# Altium PCB AMC_Box_Mainboard.PcbDoc (part 6 of 8)
Units mil, origin at the board's own origin, x right, y up, seen from the top; angles counter-clockwise.
Board outline 2795.28 x 7874.02 mil, 4 copper layers (TOP, GND, PWR, BTM), stack 63.701 mil thick; 505 components, 378 nets, 1991 pads, 997 vias.
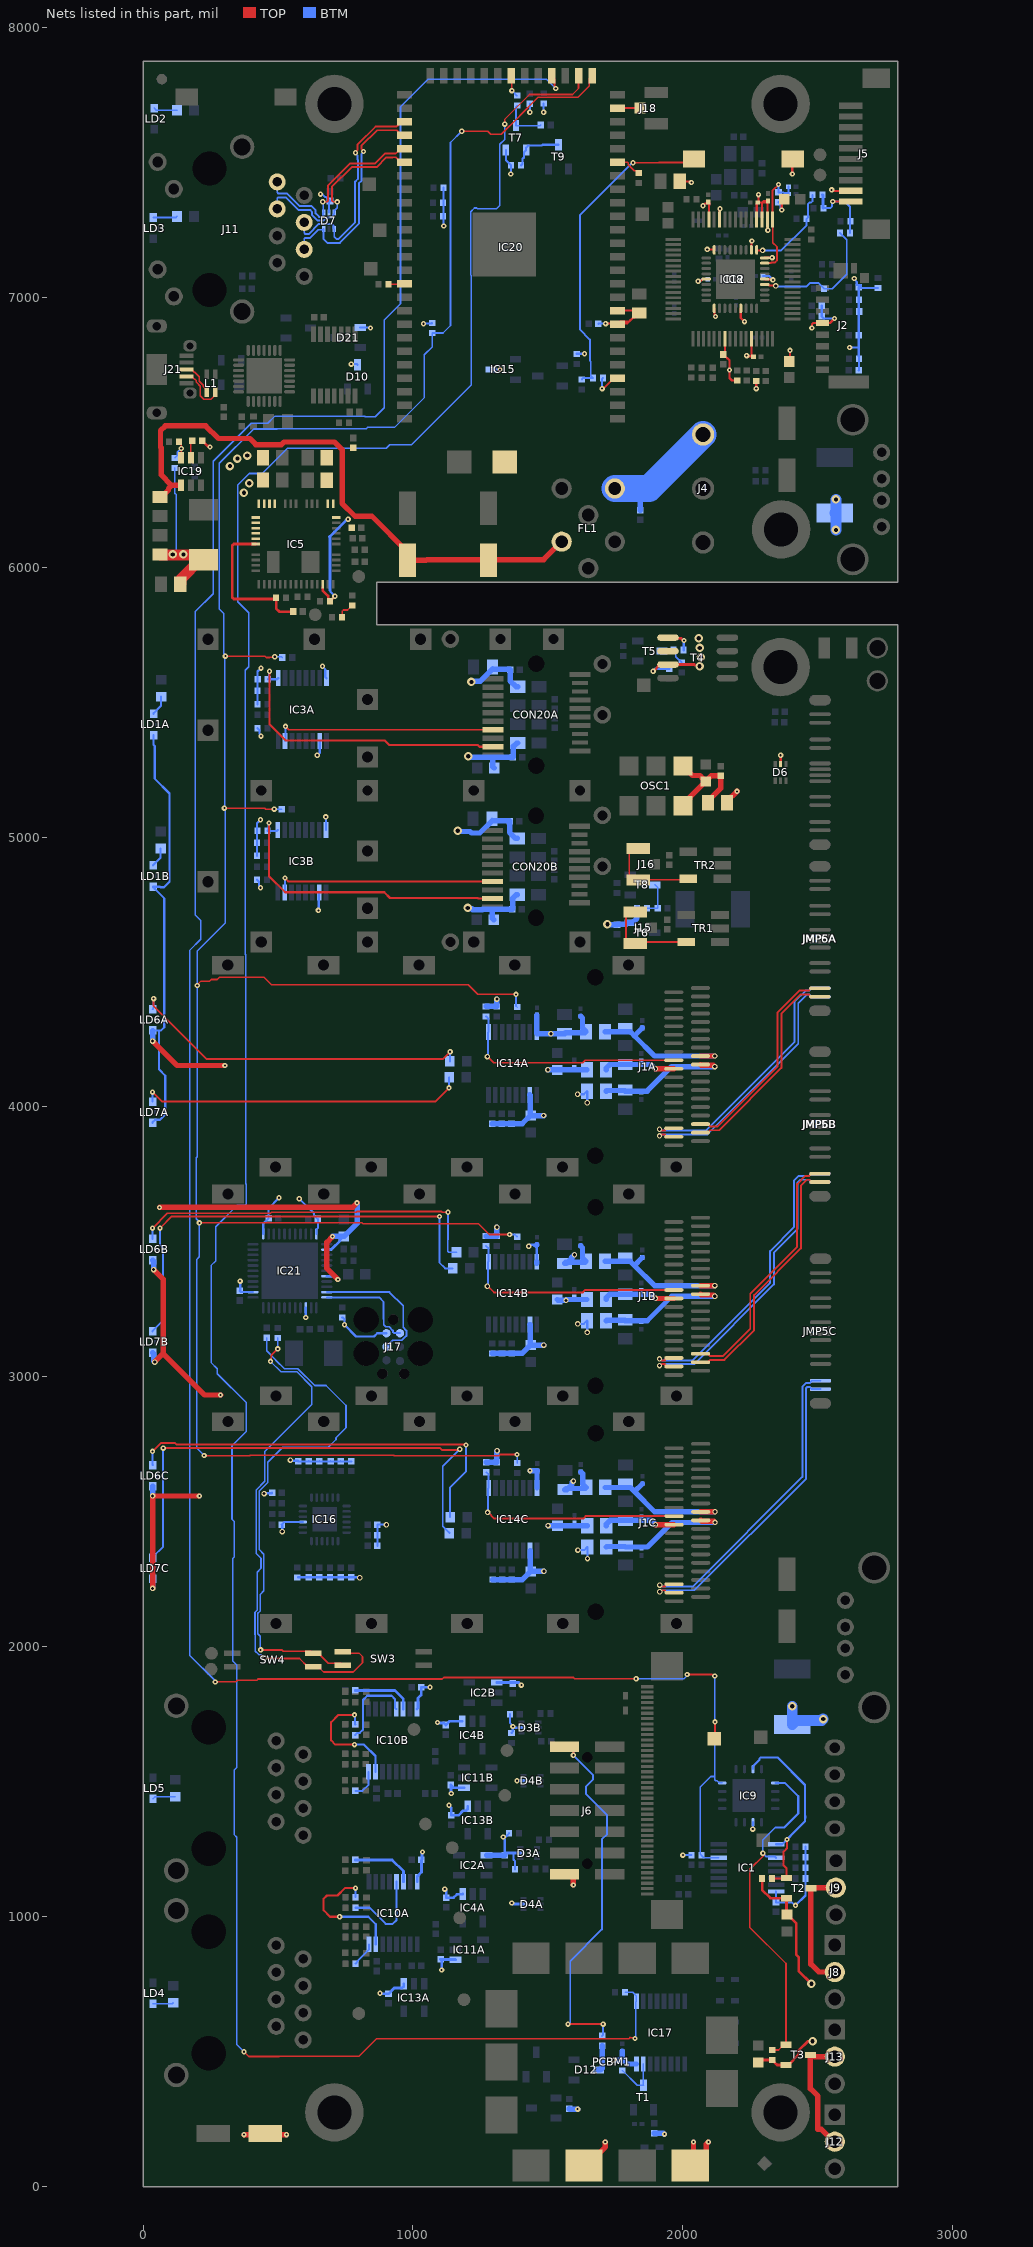
[diagram p8: the nets of this part, all layers, seen from the top]

## Via types
v1: diameter 19.68, hole 7.87, TOP to BTM, tented both sides, 751 vias
v2: diameter 20.08, hole 11.81, TOP to BTM, tented both sides, 162 vias
v3: diameter 19.68, hole 7.87, TOP to BTM, 43 vias
v4: diameter 31.5, hole 15.75, TOP to BTM, tented both sides, 36 vias
v5: diameter 25.98, hole 12.99, TOP to BTM, tented both sides, 4 vias
v6: diameter 50, hole 28, TOP to BTM, tented both sides, 1 vias

## Nets (pads, with @x,y where several pads share a name; then routed paths per layer and width w, separated by ;. In a path a pad name is that pad's centre, name@x,y a point inside that pad or via, vN(x,y) a via of type N, cw(c..) or ccw(c..) an arc to the next point about the centre after c; other vN are vias at no path point) (continued)
NetIC17_1: IC17.1 IC20.1 R69.2 | length 10173.4
  TOP w6: v1(374.02,500) 391.58,482.43 504.86,482.43 505.66,483.23 799.91,483.23 865.01,548.33 1799.72,548.33 1803.99,552.61 1804.62,551.98 1820.22,551.98 v1(1822.83,549.36) ; v1(1340,7641) 1340.84,7641.84 1340.84,7659.84 1432,7751 1591,7751 1613.5,7773.5 IC20.1@1613.5,7820.39
  BTM w6: v1(374.02,500) 347.18,526.83 347.18,1294.8 337.43,1304.55 337.43,1543.28 347.18,1553.02 347.18,1933.11 333.1,1947.19 333.1,2327.28 337.5,2331.67 337.5,2465.07 329.91,2472.66 329.91,2744.97 382.57,2797.63 382.57,2881.21 382.36,2881.42 382.36,2905.18 275.32,3012.21 275.32,3030.35 252.28,3053.39 252.28,3412.61 269.13,3429.46 269.13,3556.12 348.43,3635.43 377.33,3635.43 381.86,3639.95 381.86,3715.25 380.97,3716.13 380.97,4563.91 378.96,4565.92 378.96,5618.21 391.81,5631.06 391.81,5830.99 350.51,5872.29 350.51,6304.17 393.35,6347.02 441.5,6347.02 535.43,6440.94 901.57,6440.94 913.84,6453.21 994.89,6453.21 1216.5,6674.82 1216.5,7069 1215.5,7070 1215.5,7081.41 1214.64,7082.27 1214.64,7316.64 1228.27,7330.27 1236.05,7330.27 1239.31,7327 1309,7327 1322,7340 1322,7566.19 1340,7584.19 v1(1340,7641) ; R69.2@1786.22,720.47 1813.98,720.47 1827.76,706.69 IC17.1@1827.76,687.01 1825.26,684.51 1825.26,551.79 v1(1822.83,549.36)
NetIC17_15: IC17.15 R68.1 T1.3 | length 180.4
  BTM w6: R68.1@1775.59,430.32 1776.38,430.32 1830.71,375.98 T1.3@1854.33,375.98 1853.35,376.97 IC17.15@1853.35,454.72
NetIC19_5: IC19.5 R92.1 | length 65.1
  TOP w6: IC19.5@177.56,6405.51 177.56,6463.39 R92.1@182.68,6468.5
NetIC19_6: IC19.6 R94.1 R95.2 | length 113.9
  TOP w6: R95.2@133.07,6464.57 141.49,6456.15 v1(141.49,6439.67) 141.49,6423.18 147.35,6417.32 147.98,6417.32 140.16,6409.5 IC19.6@140.16,6405.51
  BTM w6: R94.1@118.03,6404.8 118.82,6404.8 127.24,6413.22 127.24,6425.41 v1(141.49,6439.67)
NetIC20_0: IC20.0 R8A.1 R8B.1 R9.2 R10A.1 R10B.1 R10C.1 | length 10367.8
  TOP w6: v1(200.79,4449.92) 200.79,4452.01 215.19,4466.41 247.33,4466.41 253.35,4472.44 274.9,4472.44 283.18,4480.72 448.41,4480.72 476.38,4452.76 1204.72,4452.76 1240.16,4417.32 v1(1381.89,4417.32) ; v1(208.66,3570.87) 811.02,3570.87 814.96,3566.93 1243.13,3566.93 1282.5,3527.56 v1(1358.27,3527.56) ; v1(226.53,2708.66) 396.53,2708.66 397.64,2709.76 928.42,2709.76 929.52,2708.66 1319.31,2708.66 1323.24,2712.6 v1(1385.83,2712.6) ; v1(301.33,5107.32) 450.98,5107.32 454.92,5103.39 v1(486.42,5103.39) ; v1(305.05,5670.21) 305.96,5669.29 452.76,5669.29 456.69,5665.35 469.21,5665.35 469.35,5665.49 485.57,5665.49 v1(488.19,5668.11) ; v1(1181,7615) 1276.83,7615 1288.56,7603.28 1327.12,7603.28 1395.29,7671.45 1395.29,7672.1 1463.46,7740.28 1611.28,7740.28 1652.5,7781.5 1652.5,7809.39 IC20.0@1663.5,7820.39
  BTM w6: v1(226.53,2708.66) 198.65,2736.54 198.65,3434.82 208.66,3444.83 208.66,3574.57 197.26,3585.97 197.26,3812.48 200.79,3816 v1(200.79,4449.92) 200.79,4577.99 305.31,4682.52 305.31,5107.32 v1(301.33,5107.32) ; v1@303.19,5109.45 303.19,5668.35 v1(305.05,5670.21) ; v1@307.09,5670.21 307.09,5672.99 298.96,5681.12 298.96,5828.41 282.79,5844.58 282.79,6384.57 410.09,6511.87 497.87,6511.87 498.48,6512.49 826.68,6512.49 831.75,6517.56 931.58,6517.56 1042.57,6628.54 1042.57,6700.28 1042.43,6700.41 1042.43,6786.53 1070.87,6814.96 R9.2@1070.87,6867.32 1111.32,6867.32 1139,6895 1139,7573 v1(1181,7615) ; v1(486.42,5103.39) R8B.1@513.98,5103.39 ; v1(488.19,5668.11) 512.99,5668.11 R8A.1@515.75,5665.35 ; v1(1358.27,3527.56) 1377.75,3527.56 R10B.1@1385.94,3519.37 ; v1(1381.89,4417.32) 1381.89,4374.02 R10A.1@1385.83,4370.08 ; v1(1385.83,2712.6) 1385.83,2682.26 R10C.1@1386.75,2681.34
NetIC20_22: IC20.22 R112.2 | length 60
  TOP w6: R112.2@909.5,7048 966.11,7048 IC20.22@968.5,7050.39
NetIC20_38: IC20.38 R62.2 | length 114.6
  TOP w7: v1(1700.79,6661.29) 1704.22,6661.29 1708.28,6665.35 1709.46,6665.35 1744.5,6700.39 IC20.38@1758.5,6700.39
  BTM w7: v1(1700.79,6661.29) 1700.79,6698.03 R62.2@1703.54,6700.79
NetIC20_45: IC20.45 R1.1 | length 97.5
  TOP w6: IC20.45@1758.5,7500.39 1793.88,7500.39 1797.39,7496.88 1797.39,7490.9 1819.38,7468.92 1827.58,7468.92 R1.1@1836,7460.5
NetIC20_ANT: IC20.ANT J18.1 | length 83.2
  TOP w7: IC20.ANT@1758.5,7700.39 1841.14,7700.39 J18.1@1841.54,7700.79
NetIC20_VIN_FLASH: IC20.VIN_FLASH R55.1 | length 83.3
  TOP w6: IC20.VIN_FLASH@1363.5,7820.39 1366.66,7817.24 v1(1366.66,7765.23)
  BTM w6: v1(1366.66,7765.23) 1385.04,7746.85 R55.1@1385.83,7746.85
NetJ6_14: J6.14 R71.1 | length 1360.7
  TOP w7: J6.14@1562.01,1629.92 1578.3,1629.92 1594.49,1613.74 v1(1594.49,1598.43) ; v1(1574.8,602.36) v1(1704.72,602.36)
  BTM w7: v1(1574.8,602.36) 1578.24,602.36 1582.34,606.46 1582.68,606.46 1582.68,835.59 1700.15,953.06 1700.15,1287.24 1719.47,1306.56 1719.47,1376.95 1640.93,1455.48 1640.93,1482.48 1666.74,1508.29 1666.74,1526.17 v1(1594.49,1598.43) ; R71.1@1700.79,559.06 1704.72,562.99 v1(1704.72,602.36)
NetJ15_2: J15.2 TR1.4 | length 354.8
  TOP w7: J15.2@1823.43,4722.24 1806.78,4722.24 1789.61,4705.07 1789.61,4623.27 1806.78,4606.1 J15.2@1823.43,4606.1 1828.74,4611.42 TR1.4@2012.4,4611.42
NetJ16_2: J16.2 TR2.4 | length 349.2
  TOP w6: J16.2@1834.65,4957.68 1819,4957.68 1801.33,4940.01 1801.33,4859.2 1819,4841.54 J16.2@1834.65,4841.54 2015.94,4841.54 TR2.4@2020.08,4845.67
NetJ21_2: J21.2 L1.1 | length 181.4
  TOP w6: J21.2@161.42,6706.69 180.12,6706.69 190.11,6696.7 191.19,6696.7 197.94,6689.96 197.94,6684.53 212.6,6669.87 212.6,6634.75 225.15,6622.2 252.12,6622.2 267.72,6637.8 L1.1@267.72,6647.64
NetJ21_3: J21.3 L1.4 | length 127.2
  TOP w6: J21.3@161.42,6732.28 180.12,6732.28 190.11,6722.29 191.19,6722.29 208.66,6704.82 208.66,6688.98 223.32,6674.32 223.32,6670.38 236.22,6657.48 L1.4@236.22,6647.64
NetLD1A_1: LD1A.1 R93A.2 | length 74.4
  BTM w7.87: LD1A.1@39.37,5456.69 39.37,5458.66 66.93,5486.22 R93A.2@66.93,5519.68
NetLD1B_1: LD1B.1 R93B.2 | length 74.4
  BTM w7.87: LD1B.1@37.6,4894.72 37.6,4896.69 65.16,4924.25 R93B.2@65.16,4957.72
NetLD2_1: LD2.1 R56.1 | length 87.9
  BTM w6: LD2.1@41.34,7700.79 49.21,7692.91 R56.1@125.98,7692.91
NetLD3_1: LD3.1 R61.1 | length 90.2
  BTM w6: LD3.1@37.4,7295.28 122.05,7295.28 R61.1@125.98,7299.21
NetLD4_2: LD4.2 R72.2 | length 76.6
  BTM w6: LD4.2@37,677.63 108.13,677.63 R72.2@112,681.5
NetLD5_2: LD5.2 R76.2 | length 85.3
  BTM w6: LD5.2@37,1436.63 44.87,1444.5 R76.2@119,1444.5
NetLD6A_1: LD6A.1 R87A.2 | length 1296
  TOP w7: v1(39.37,4401.57) 39.37,4374.02 236.22,4177.17 1110.24,4177.17 v1(1137.8,4204.72)
  BTM w7: LD6A.1@35.43,4362.2 39.37,4366.14 v1(39.37,4401.57) ; R87A.2@1136.87,4169.06 1137.8,4169.98 v1(1137.8,4204.72)
NetLD6B_1: LD6B.1 R87B.2 | length 1339.1
  TOP w7: v1(35.43,3551.18) 90.46,3606.21 472.35,3606.21 476.34,3610.2 790.17,3610.2 792.52,3612.56 1106.34,3612.56 1108.66,3610.24 v1(1129.92,3610.24)
  BTM w7: v1(35.43,3551.18) 35.55,3551.06 LD6B.1@35.55,3511.5 ; v1(1129.92,3610.24) 1129.92,3509.44 1129.19,3508.7 1129.19,3466.1 1133.29,3462 R87B.2@1161.5,3462
NetLD6C_1: LD6C.1 R87C.2 | length 1521.2
  TOP w7: v1(35.43,2724.41) 66.93,2755.91 118.11,2755.91 123.67,2750.35 1194.53,2750.35 v1(1196.85,2748.03)
  BTM w7: v1(35.43,2724.41) 35.43,2674.39 LD6C.1@36.36,2673.46 ; R87C.2@1137.8,2480.32 1137.8,2591.02 1196.85,2650.08 v1(1196.85,2748.03)
NetLD7A_2: LD7A.2 R7A.2 | length 1209.1
  TOP w7: v1(35.43,4055.12) 70.87,4019.69 1082.68,4019.69 v1(1133.86,4070.87)
  BTM w7: LD7A.2@35.43,4019.69 v1(35.43,4055.12) ; v1(1133.86,4070.87) R7A.2@1133.86,4110.24
NetLD7B_2: LD7B.2 R7B.2 | length 1686.1
  TOP w7: v1(62.99,3551.18) 106.3,3594.49 v1(1098.43,3594.49)
  BTM w7: LD7B.2@35.55,3168.98 35.55,3170.94 74.8,3210.2 74.8,3478.6 62.99,3490.41 v1(62.99,3551.18) ; v1(1098.43,3594.49) 1098.43,3422.86 1119.29,3402 R7B.2@1147.5,3402
NetLD7C_2: LD7C.2 R7C.2 | length 1874.3
  TOP w7: v1(74.8,2736.22) 78.74,2732.28 78.74,2734.3 80.66,2736.22 1100.55,2736.22 1106.8,2729.96 1170.91,2729.96 v1(1173.23,2732.28)
  BTM w7: LD7C.2@36.36,2330.94 36.36,2332.91 74.8,2371.36 v1(74.8,2736.22) ; R7C.2@1134.78,2421.49 1134.78,2423.46 1110.67,2447.58 1110.67,2669.72 v1(1173.23,2732.28)
NetPB1_1: PB1.1 R62.1 R73.2 | length 1174.5
  TOP w7: v1(1814.96,7498.18) 1911.72,7498.18 1912.6,7499.07 2028.59,7499.07 PB1.1@2041.34,7511.81
  BTM w7: R73.2@1625.98,6695.67 1631.1,6700.79 R62.1@1666.54,6700.79 1658.62,6708.7 1658.62,6761.83 1655.93,6764.52 1655.93,6843.18 1618.42,6880.69 1618.42,7303.46 1813.14,7498.18 v1(1814.96,7498.18)
NetR28_1: R28.1 R29.2 | length 68.4
  TOP w6: R29.2@737.5,5815 737.5,5836.2 742.66,5841.37 757.9,5841.37 774.8,5858.27 R28.1@775.59,5858.27
NetR36_2: R36.2 R53.1 T8.3 | length 130.9
  BTM w6: R53.1@1867.72,4736.22 R36.2@1906.69,4736.22 1906.69,4813.04 1896.9,4822.83 T8.3@1895.67,4822.83
NetR37_2: R37.2 R109.1 T5.3 | length 102.8
  BTM w7: T5.3@1923.23,5688.98 1961.81,5688.98 R109.1@1965.75,5692.91 1973.67,5685 1973.67,5668.85 1995.28,5647.24 R37.2@1996.06,5647.24
NetR46_2: R46.2 T7.1 T9.3 | length 198.3
  BTM w8: R46.2@1400.39,7488.19 1405.51,7493.31 1405.51,7511.81 1411.48,7517.78 1411.48,7537.46 T7.1@1419.29,7545.28 1419.29,7554.13 1427.1,7561.94 1477.33,7561.94 1480.35,7564.96 T9.3@1539.37,7564.96
NetR47_1: R47.1 R55.2 T7.3 | length 168.2
  BTM w6: R55.2@1385.83,7709.84 1381.89,7705.91 T7.3@1381.89,7635.83 1471.65,7635.83 R47.1@1473.62,7637.8
NetR85_2: R85.2 SW3.2 SW4.2 | length 1911.7
  TOP w6: v1(435.69,1988.99) 436.48,1988.19 515.75,1988.19 519.73,1984.2 622.09,1984.2 SW4.2@629.92,1976.38 649.61,1976.38 686.46,1939.52 732.33,1939.52 SW3.2@740.16,1931.69
  BTM w6: v1(435.69,1988.99) 434.89,1989.78 434.89,2039.62 425.54,2048.97 425.54,2124.26 433.75,2132.47 433.75,2193.4 447.73,2207.38 447.73,2343.61 430.9,2360.44 430.9,2577.73 462.27,2609.1 462.27,2683.77 517.5,2739 686,2739 715,2768 715,2775 752,2812 752,2894 677.84,2968.16 636.17,2968.16 573.74,3030.6 523.93,3030.6 492.22,3062.31 492.22,3062.7 458,3096.92 R85.2@458,3145
NetR107_2: R107.2 SW3.1 SW4.1 | length 1917.3
  TOP w6: v1(450.82,1958.69) 452.81,1956.69 579.92,1956.69 610.24,1926.38 SW4.1@629.92,1926.38 649.61,1926.38 668.98,1907 779,1907 813,1941 813,1964 800,1977 744.85,1977 SW3.1@740.16,1981.69 ; v1(472.56,3057.52) 475.07,3060.03 475.07,3080.07 v1(499,3104)
  BTM w6: v1(450.82,1958.69) 449.63,1958.69 436.9,1971.42 428.41,1971.42 416.17,1983.66 416.17,2043.17 414.82,2044.52 414.82,2128.7 423.02,2136.91 423.02,2276.71 437.01,2290.7 437.01,2327.73 420.17,2344.57 420.17,2582.17 451.55,2613.55 451.55,2723.78 625.45,2897.68 625.45,2963.72 569.29,3019.87 510.21,3019.87 v1(472.56,3057.52) ; v1(499,3104) R107.2@499,3144.5
NON_REM0: IC8.28 R96.1 R100.1 | length 349
  TOP w7: IC8.28@2273.62,7175.2 2273.62,7175.09 2275.48,7173.23 v2(2295.28,7173.23)
  BTM w7: v2(2295.28,7173.23) 2364.44,7173.23 2458.5,7267.3 R100.1@2458.5,7290 2463.85,7295.35 2463.85,7345.61 2469.2,7350.95 2475.15,7350.95 2480.5,7356.3 R96.1@2480.5,7379
NON_REM1: IC8.22 R97.1 R101.1 | length 506.5
  TOP w7: IC8.22@2303.15,7047.24 2316.44,7047.24 2320.38,7043.31 2342.52,7043.31 v2(2343.79,7042.04)
  BTM w7: v2(2343.79,7042.04) 2346.14,7039.69 2436.35,7039.69 2436.73,7040.07 2458.57,7040.07 2470.43,7051.93 2502.8,7051.93 2522.44,7032.28 R101.1@2522.44,7031.5 2553.41,7031.5 2607.35,7085.44 2607.35,7212.36 2582.5,7237.21 R97.1@2582.5,7238
OVERN: IC1.14 IC9.12 IC20.3 R153.2 TP37.1 | length 9900.6
  TOP w6: v1(267.72,1870.08) 343.15,1870.08 349.51,1876.44 421.24,1876.44 425.85,1881.05 1108.31,1881.05 1113.82,1886.56 1595.14,1886.56 1599.81,1881.89 v1(1826.77,1881.89) ; IC20.3@1513.5,7820.39 1524.5,7809.39 1524.5,7781.2 1529,7776.7 v1(1529,7773) ; v1(2015.75,1897.64) 2108.65,1897.64 2114.41,1891.88 v1(2118.11,1891.88) ; TP37.1@2116,1660 2119,1663 v1(2119,1722)
  BTM w6: v1(267.72,1870.08) 267.72,1874.02 172.5,1969.24 172.5,4580.03 214.42,4621.95 214.42,4691.09 194.05,4711.46 194.05,5835.78 259.84,5901.57 259.84,6391.95 401.21,6533.32 462.46,6533.32 487.48,6558.35 822.24,6558.35 823.35,6557.24 860.39,6557.24 893.7,6590.55 893.7,6915.7 953.78,6975.78 953.78,7705.78 1055.55,7807.55 1494.45,7807.55 v1(1529,7773) ; v1(1826.77,1881.89) 2003.94,1881.89 2015.75,1893.7 v1(2015.75,1897.64) ; v1(2118.11,1891.88) 2118.11,1523.62 ; IC1.14@2132.6,1218.81 2077.39,1218.81 2068.43,1227.77 R153.2@2068.43,1228.56 2065.11,1231.88 2065.11,1481.65 2103.34,1519.87 2114.36,1519.87 2118.11,1523.62 ; IC9.12@2145.67,1496.06 2134.25,1496.06 2126.69,1503.63 2122.35,1503.63 2118.11,1507.87 2118.11,1523.62
P3V3: C6A.2 C6B.2 C7A.2 C7B.2 C8A.2 C8B.2 C9A.2 C9B.2 C11.1 C16A.1 C16B.1 C16C.1 C17.2 C25A.2 C25B.2 C25C.2 C27.2 C29.2 C32.2 C33A.2 C33B.2 C33C.2 C34A.1 C34B.1 C34C.1 C35A.1 C35B.1 C35C.1 C36A.1 C36B.1 C36C.1 C42.2 C43.1 C44.2 C47A.1 C47B.1 C48A.2 C48B.2 C49A.1 C49B.1 C50A.1 C50B.1 C53.2 C54.2 C55.2 C56.2 C57.2 C61.2 C67A.2 C67B.2 C69.2 C81.2 C100.2 C101.2 C104.2 C105.2 C106.2 C113.2 C175.2 D3A.5 D3B.5 D4A.5 D4B.5 D6.5 D7.5 D10.3 D21.1 FB1.1 FB2.1 FB3A.1 FB3B.1 FB3C.1 FB4A.1 FB4B.1 FB4C.1 FB5A.1 FB5B.1 FB6A.1 FB6B.1 FB7A.1 FB7B.1 FB7C.1 IC1.8 IC2A.1 IC2B.1 IC3A.2 IC3A.16 IC3B.2 IC3B.16 IC4A.1 IC4B.1 IC5.12 IC5.13 IC5.14 IC5.15 IC5.16 IC5.17 IC5.18 IC5.19 IC5.20 IC5.21 IC8.5 IC8.10 IC8.15 IC8.23 IC8.27 IC8.29 IC8.36 IC9.6 IC10A.16 IC10B.16 IC11A.1 IC11B.1 IC12.23 IC12.28 IC12.50 IC12.51 IC12.52 IC12.59 IC12.61 IC13A.1 IC13B.1 IC14A.2 IC14A.16 IC14B.2 IC14B.16 IC14C.2 IC14C.16 IC15.3 IC16.21 IC17.16 IC20.3.3V1 IC20.3.3V2 IC21.14 IC21.24 IC21.34 IC21.44 J2.4 J5.1 J5.2 J6.2 J17.2 LD1A.2 LD1B.2 LD6A.2 LD6B.2 LD6C.2 LD7A.1 LD7B.1 LD7C.1 PB1.2 PCBM1.9 PCBM1.11 R2.1 R3.1 R4.1 R5.1 R6A.2 R6B.2 R6C.2 R9.1 R11.1 R12A.2 R12B.2 R12C.2 R35.2 R46.1 R49.2 R51A.2 R51B.2 R53.2 R57.2 R59.2 R60.2 R63.1 R64.1 R65.1 R66.1 R67.1 R68.2 R70.2 R74A.2 R74B.2 R74C.2 R75.2 R77.2 R79.2 R80A.2 R80B.2 R80C.2 R81A.1 R81B.1 R83A.1 R83B.1 R86A.2 R86B.2 R86C.2 R88.2 R89A.2 R89B.2 R90A.2 R90B.2 R91A.2 R91B.2 R92.2 R96.2 R97.2 R102.2 R113.1 R114.1 R115.1 R147.2 R148.2 R152.1 R153.1 R154.1 R184.2 R185.2 R186.2 R187.2 R188.2 R189.2 R196.1 R197.2 R198.2 R199.2 R200.2 R201.2 R202.2 R203.2 R204.2 R205.2 T6.2 T7.2 | length 15701.4
  TOP w8: v1(1714,6902) 1756.9,6902 IC20.3.3V2@1758.5,6900.39 ; IC20.3.3V1@1758.5,6950.39 1829.13,6950.39 C43.1@1838.58,6940.94 1821.91,6924.28 1815.02,6924.28 1793.82,6903.07 1775.18,6903.07 IC20.3.3V2@1772.5,6900.39 ; 1805.12,6914.37 1805.12,6913.39 1802.13,6910.39 IC20.3.3V2@1782.5,6910.39 ; FB1.1@1988.19,7429.13 2024.4,7429.13 2028.33,7425.2 v1(2031.5,7425.2) ; v1(2056.45,7059.07) 2058.68,7061.31 2067.97,7061.31 2073.59,7066.93 IC8.5@2086.61,7066.93 ; v1(2074.8,7338.58) 2083.72,7347.5 2094.55,7347.5 C53.2@2096.46,7349.41 ; v1(2090.55,7177.17) 2114.75,7177.17 2116.14,7175.77 IC8.36@2116.14,7175.2 ; C53.2@2094.49,7352.36 2098.06,7348.79 2098.06,7342.16 2096.46,7340.55 ; IC12.61@2096.46,7287.93 2096.46,7340.55 ; C53.2@2096.46,7349.41 2096.46,7340.55 ; IC8.10@2116.14,6958.66 2116.72,6958.08 2116.72,6935.73 2121.1,6931.35 v1(2121.1,6928.19) ; IC12.59@2135.83,7287.93 2136.73,7288.83 2136.73,7326.97 v1(2137.64,7327.87) ; IC12.23@2155.51,6845.93 2155.51,6793.23 C55.2@2150,6787.72 2163.96,6773.76 2165.27,6773.76 2172.76,6766.27 2172.76,6751.96 2172.8,6751.92 v1(2172.8,6730.08) 2172.8,6700.39 2181.85,6691.34 R49.2@2200.79,6691.34 ; IC8.15@2214.57,6958.66 2214.57,6923.23 v1(2228.35,6909.45) ; v1(2236.22,6783.46) 2238.19,6781.5 C106.2@2258.86,6781.5 ; IC12.28@2253.94,6845.93 2253.94,6786.42 C106.2@2258.86,6781.5 ; IC8.29@2253.94,7175.2 2254.52,7175.78 2254.52,7207.27 v1(2255.78,7208.54) ; v1(2271.65,6661.42) R57.2@2271.65,6690.16 ; IC12.52@2273.62,7287.93 2273.62,7346.52 2277.5,7350.39 C100.2@2277.56,7350.39 2310.04,7350.39 C57.2@2313.98,7354.33 ; C100.2@2280,7350.39 v1(2280,7380) ; IC12.51@2293.31,7287.93 2293.31,7350.31 2299.3,7356.3 C57.2@2314.96,7356.3 ; IC8.23@2303.15,7066.93 2303.73,7066.35 2331.45,7066.35 v1(2333.43,7064.36) ; IC8.27@2303.15,7145.67 2303.59,7146.11 2330.26,7146.11 v1(2330.7,7146.55) ; v1(2314.96,7248.03) 2313.98,7249.02 2313.98,7286.95 IC12.50@2312.99,7287.93 2313.98,7288.91 C57.2@2313.98,7354.33 ; v1(2366.14,7322.83) 2366.14,7352.36 C104.2@2375.98,7362.2 ; C32.2@2393.7,6761.81 2396.74,6764.85 v1(2396.74,6803.15) ; v1(2405.51,7456.69) 2405.51,7509.84 PB1.2@2407.48,7511.81 ; v1(2478,6886) 2478.64,6886.64 2478.64,6899.62 2483.33,6904.31 2545.31,6904.31 v1(2562,6921) ; v1(2551.18,7397.64) 2554.34,7397.64 2558.28,7393.7 J5.2@2622.05,7393.7 ; v1(2555.12,7354.33) J5.1@2622.05,7354.33 ; IC20.3.3V2@1758.5,6900.39 1768.5,6910.39 IC20.3.3V2@1782.5,6910.39 ; IC20.3.3V2@1758.5,6900.39 IC20.3.3V2@1772.5,6900.39 ; IC20.3.3V2@1772.5,6900.39 IC20.3.3V2@1782.5,6910.39 ; C106.2@2258.86,6781.5 2259.84,6781.5 C106.2@2261.81,6779.53 2260.83,6779.53 C106.2@2258.86,6781.5 ; C57.2@2313.98,7354.33 2314.96,7355.31 C57.2@2314.96,7356.3 ; C57.2@2313.98,7354.33 2313.98,7355.32 C57.2@2314.96,7356.3
  TOP w10: R92.2@219.68,6468.5 219.68,6467.72 238.58,6448.82 241.47,6448.82 245.41,6444.88 v1(248.03,6444.88) ; IC5.21@417.32,6085.63 336.57,6085.63 330.71,6079.77 330.71,5887.75 336.57,5881.89 488.38,5881.89 R35.2@493.31,5886.81 493.31,5847.2 505.86,5834.65 556.1,5834.65 C17.2@557.09,5835.63 ; D6.5@2362.2,5270.87 v1(2362.2,5303.15)
  TOP w20: v2(35.43,2216.54) v2(35.43,2559.06) v1(208.66,2559.06) ; v2(35.43,4244.09) 125.98,4153.54 v1(303.15,4153.54) ; v2(39.37,3397.64) 74.8,3362.2 74.8,3086.61 ; v2(43.31,3055.12) 74.8,3086.61 ; v1(287.4,2933.07) 228.35,2933.07 74.8,3086.61 ; v1(374.02,192.91) 448.82,192.91 C11.1@452.76,196.85 456.69,192.91 v1(531.5,192.91) ; J6.2@1562.01,1157.48 1584.8,1157.48 1594.49,1147.8 v1(1594.49,1118.11) ; PCBM1.9@1633.86,78.74 1643.7,78.74 1712.6,147.64 v1(1712.6,165.35) ; PCBM1.11@2027.56,78.74 2039.37,90.55 PCBM1.11@2039.37,110.24 ; v1(2039.37,165.35) PCBM1.11@2039.37,110.24 ; v1(2094.49,165.35) 2086.46,157.32 2086.46,127.8 2068.9,110.24 PCBM1.11@2039.37,110.24 ; FB2.1@2163.78,5126.97 2163.78,5132.87 2200.2,5169.29 v1(2200.79,5169.29)
  BTM w7.87: IC14B.16@1458.84,3426.62 1459.33,3427.11 1459.33,3489.12 C36B.1@1459.82,3489.61 ; v2(1610.24,4047.24) 1633.17,4047.24 FB4A.1@1644.75,4058.82 1645.67,4057.9 v2(1645.67,4015.75) ; v2(1610.35,3196.53) 1633.29,3196.53 FB4B.1@1644.86,3208.11 1645.79,3207.19 v2(1645.79,3165.04) ; v2(1611.16,2358.5) 1634.09,2358.5 FB4C.1@1645.67,2370.08 1646.59,2369.15 v2(1646.59,2327.01)
  BTM w8: LD7A.1@35.43,3940.94 35.43,3942.91 45.21,3952.69 62.93,3952.69 82.68,3972.44 82.68,4116.14 59.68,4139.14 59.68,4282.84 ; LD6A.2@35.43,4283.46 59.06,4283.46 59.68,4282.84 ; LD1A.2@39.37,5377.95 39.37,5341.74 43.31,5337.81 43.31,5216.54 98.43,5161.42 98.43,4834.65 78.12,4814.34 65.02,4814.34 63.38,4815.98 LD1B.2@37.6,4815.98 ; v1(360,3355) 360,3320.72 C42.2@358,3318.72 362.46,3314.26 IC21.24@407.19,3314.26 ; R90B.2@422.64,4841.57 430.06,4834.16 430.06,4820.39 435.24,4815.21 v1(435.24,4812.05) ; R89B.2@422.64,4930.16 R91B.2@422.64,4979.37 422.64,5051.42 v1(435.24,5064.02) ; R90A.2@424.41,5403.54 431.83,5396.13 431.83,5382.36 437.01,5377.18 v1(437.01,5374.02) ; R89A.2@424.41,5492.13 R91A.2@424.41,5541.34 424.41,5613.39 v1(437.01,5625.98) ; IC21.34@445.57,3529.81 445.57,3568.29 C44.2@465.28,3588 465.28,3623.31 ; v2(448.66,2567.72) 450.23,2569.29 476.77,2569.29 R197.2@478.35,2570.87 ; 469.97,3628 465.28,3623.31 ; v1(504,3664) 465.28,3625.28 465.28,3623.31 ; v2(515.75,2427.21) 515.75,2450.79 C175.2@513.78,2452.76 523.62,2462.6 IC16.21@592.52,2462.6 ; v2(546,2692) 548.31,2689.69 573.11,2689.69 575.79,2687.01 613.19,2687.01 614.17,2687.99 615.16,2687.01 652.56,2687.01 653.54,2687.99 654.53,2687.01 693.9,2687.01 694.88,2687.99 695.87,2687.01 731.3,2687.01 732.28,2687.99 733.27,2687.01 R189.2@771.65,2687.01 ; R196.1@574.8,2257.87 R205.2@614.17,2257.87 R204.2@653.54,2257.87 R203.2@692.91,2257.87 R202.2@732.28,2257.87 R201.2@771.65,2257.87 801.18,2257.87 v2(803.15,2255.91) ; v1(579,3660) 633.21,3605.79 633.21,3599.5 C61.2@647.72,3585 647.72,3551.35 642.43,3546.06 IC21.44@642.43,3529.81 ; v1(603,3220.07) IC21.14@603.03,3256.16 ; v1(645.67,5303.15) 654.53,5312.01 IC3A.2@654.53,5356.3 ; v1(649.61,4728.35) 651.18,4729.92 651.18,4792.76 IC3B.2@652.76,4794.33 ; v1(657.48,7381.89) 664.36,7381.89 675.45,7370.8 678.41,7370.8 C54.2@692.91,7356.3 688.98,7352.36 D7.5@688.98,7314.57 ; v1(664.72,5632.62) 664.72,5631.68 675.26,5621.14 675.26,5593.44 IC3A.16@680.12,5588.58 ; v1(677.17,5074.8) 677.76,5074.21 677.76,5027.2 IC3B.16@678.35,5026.61 ; R79.2@738,3220.5 738.79,3220.5 746.2,3213.08 v1(746.2,3193.08) 789.28,3150 856,3150 868,3162 J17.2@902,3162 ; v1(771.65,6751.97) 793.31,6751.97 D10.3@795.28,6750 ; D21.1@805.12,6887.8 840.55,6887.8 v1(842.52,6885.83) ; R200.2@868.11,2374.02 R199.2@868.11,2413.39 R198.2@868.11,2452.76 901.5,2452.76 v2(901.57,2452.68) ; v1(1039.37,6901.57) 1040.75,6902.95 1069.49,6902.95 R9.1@1070.87,6904.33 ; R63.1@1112.99,7405.51 1112.99,7264.96 v1(1114.17,7263.78) ; IC15.3@1289.37,6732.28 v1(1322.83,6732.28) ; C47B.1@1293.5,5067.95 C47B.1@1301.14,5060.31 ; C47A.1@1295.28,5629.92 C47A.1@1302.91,5622.28 ; v1(1334.65,1295.28) 1336.88,1297.51 1344.79,1297.51 1356.5,1309.21 R81A.1@1356.5,1310 ; T7.2@1344.49,7545.28 1344.49,7507.87 1363.39,7488.98 R46.1@1363.39,7488.19 1362.8,7487.6 1362.8,7457.28 v1(1362.2,7456.69) ; R81B.1@1358.99,1751 1358.99,1718.97 1370.08,1707.89 v1(1370.08,1704.72) 1370.08,1686.08 R83B.1@1365,1681 ; 1372.64,1236.22 1372.64,1212.07 1378.5,1206.21 R83A.1@1378.5,1176 ; v1(1433.07,7685.04) R60.2@1433.07,7716.54 ; v1(1484.25,7685.04) R59.2@1484.25,7717.72 ; R11.1@1606.3,6790.16 1606.59,6790.45 1635.18,6790.45 v1(1635.48,6790.75) ; C69.2@1687.01,6901.57 1687.43,6902 v1(1714,6902) ; v1(2000,1228.35) 2031.21,1228.35 R153.1@2031.42,1228.56 ; v1(2056.45,7059.07) 2063.01,7059.07 2070.87,7066.93 C105.2@2092.52,7066.93 ; v1(2258.92,1324.62) 2259.38,1325.09 2259.38,1349.93 IC9.6@2259.84,1350.39 ; C101.2@2297.24,7078.74 2319.67,7078.74 2333.43,7064.98 v1(2333.43,7064.36) ; IC1.8@2345.2,1093.81 C113.2@2345.2,1053.36 2403.15,1053.36 2414.28,1042.23 v1(2417.44,1042.23) 2454.26,1079.05 R152.1@2454.26,1141.94 R154.1@2454.26,1181.31 R148.2@2454.26,1220.68 R147.2@2454.26,1260.05 ; R102.2@2354.33,7351.57 2355.12,7351.57 2362.54,7344.16 2362.54,7329.6 2366.14,7326 v1(2366.14,7322.83) ; R66.1@2514.57,6968.5 2514.57,6928.42 2521.98,6921 v1(2562,6921) ; R77.2@2520.5,7330 2546,7330 2552.88,7336.88 2552.88,7352.09 v1(2555.12,7354.33) 2599.67,7354.33 2619.5,7334.5 R97.2@2619.5,7238 ; v1(2618,6814) 2648,6814 2653,6809 R113.1@2653,6772 ; v1(2635,7069) 2635,7065.84 2644.09,7056.75 2644.09,7045.2 2644.15,7045.14 2658.86,7045.14 2658.86,7034.56 2658.92,7034.5 R115.1@2723,7034.5 ; R114.1@2651.5,6729 2652.25,6729.75 R113.1@2652.25,6771.25 ; R113.1@2651.5,6780.5 R5.1@2651.5,6859 R2.1@2651.5,7037 ; LD1B.2@37.6,4815.98 37.6,4814.02 LD1B.2@43.31,4808.31 ; LD1B.2@37.6,4815.98 43.31,4810.28 LD1B.2@43.31,4808.31 ; LD1B.2@43.31,4808.31 78.74,4772.87 78.74,4295.28 66.31,4282.84 59.68,4282.84